# Altium PCB LimeSDR-X3_1v0.PcbDoc (part 22 of 25) (continued)
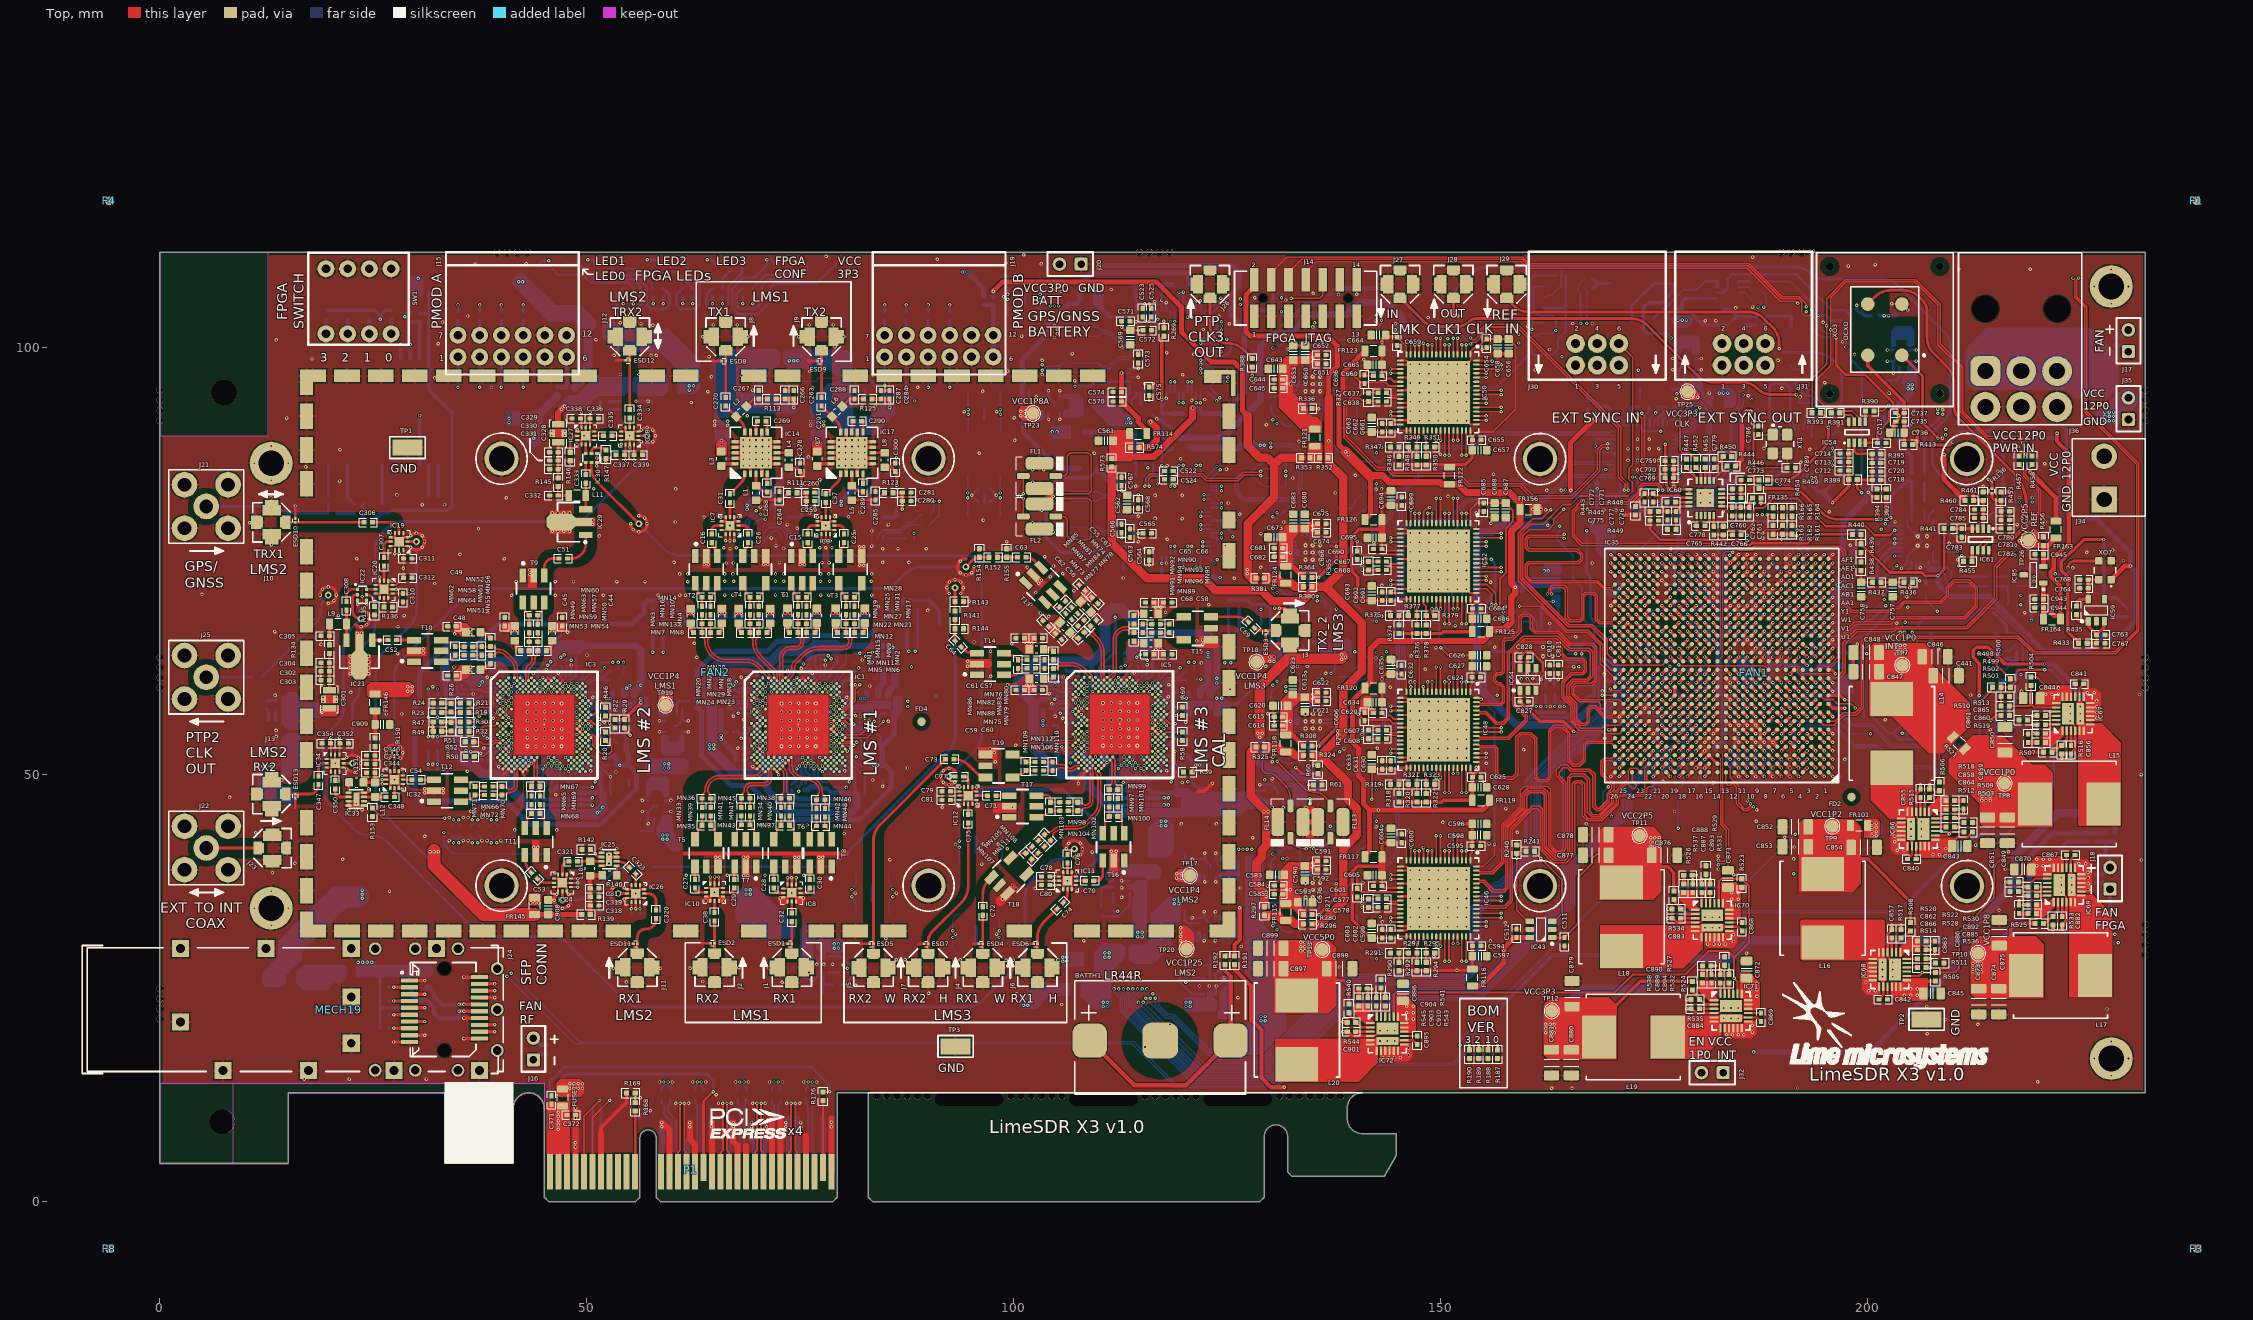
[diagram p0: Top view]
## Nets (pads, with @x,y where several pads share a name; then routed paths per layer and width w, separated by ;. In a path a pad name is that pad's centre, name@x,y a point inside that pad or via, vN(x,y) a via of type N, cw(c..) or ccw(c..) an arc to the next point about the centre after c; other vN are vias at no path point) (continued)
  Bottom w0.9: v1(162.5,79.198) 156.809,79.198 155.986,78.375 154.925,78.375 154.225,77.675 154.225,62.7 154.925,62 154.925,59.75 158.875,55.8 165.464,55.8 FR137.1@167.871,58.207
  other v1: 179.575,94.175
VCC3P3_GNSS: C508.2 C509.2 C514.2 C515.1 FR104.2 IC42.23 R236.1 R238.2 R244.2 | length 37.5
  Bottom w0.4: R236.1@24.775,79.525 25.826,80.576 25.9,80.576 R238.2@26,80.676 26.026,80.65 26.825,80.65 27.15,80.975 33.7,80.975 34.2,81.475 34.2,92.375 31.5,95.075 IC42.23@31.5,98.625 31.5,103.975 30.5,103.975 R244.2@30.425,104.05 ; C508.2@31.525,104 FR104.2@31.525,106.55
VCC3P3_RF: C35.2 C36.2 C41.2 C42.2 C80.2 C81.2 C311.2 C312.2 C326.2 C327.2 C338.2 C339.2 C353.2 C354.2 C891.2 FR142.2 IC7.12 IC8.12 IC9.12 IC10.12 IC11.12 IC12.12 IC19.12 IC20.12 IC24.12 IC26.12 IC27.12 IC28.12 IC32.12 IC34.12 R114.2 R126.2 | length 373.7
  Top w0.25: IC34.12@20.016,52.332 v1(20.016,54.307) ; v1(26.029,48.907) IC32.12@26.466,48.907 ; IC20.12@27.229,72.202 27.667,72.202 C312.2@28.504,73.039 ; IC19.12@28.504,76.289 C311.2@28.504,75.314 v1(28.504,74.177) C312.2@28.504,73.039 ; C312.2@28.679,72.914 28.554,73.039 C312.2@28.504,73.039 ; IC24.12@48.127,37.826 v1(48.916,37.826) ; IC27.12@49.361,90.669 v1(49.361,92.444) ; v1(55.511,86.8) IC28.12@55.511,88.67 ; v1(56.209,34.279) IC26.12@56.209,35.069 ; IC10.12@64.44,37.22 v1(64.44,38.009) ; v1(67.247,77.371) IC7.12@67.247,78.16 ; IC8.12@73.488,37.145 v1(73.488,37.934) ; v1(78.473,77.371) IC9.12@78.473,78.16 ; C81.2@92.59,47.037 IC12.12@93.64,47.037 ; C80.2@104.225,37.075 IC11.12@105.275,37.075
  L4 w0.4: v1(26.029,48.907) 35.06,39.875 42.501,39.875 44.551,37.826 v1(48.916,37.826) 55.149,37.826 56.7,36.275 ; v1(56.209,34.279) 56.7,34.77 56.7,36.275 ; v1(64.44,38.009) 64.44,37.14 ; v1(73.488,37.934) 72.693,37.14 ; v1(104.789,37.063) 101.976,34.25 75.1,34.25 73.3,36.05 73.3,36.533 72.693,37.14 ; 56.7,36.275 63.575,36.275 64.44,37.14 ; 64.44,37.14 66.503,37.14 66.763,37.4 70.37,37.4 70.63,37.14 72.693,37.14
  L8 w0.4: v1(67.247,77.371) 67.247,82.472 ; 70.517,82.625 72.367,80.775 74.575,80.775 76.325,79.025 77.25,79.025 78.473,77.802 v1(78.473,77.371)
  L8 w1: 49.275,92.175 53.075,88.375 53.075,86.775 53.925,85.925 55,85.925 55.925,86.85 63.175,86.85 67.4,82.625 70.517,82.625 v1(74.997,87.105)
  L8 w1.5: 26.025,48.35 26.025,43.4 23.025,43.4 19.466,46.959 19.466,55.266 22.775,58.575 22.785,58.575 26.725,62.515 26.725,68.275 28.2,69.75 29.3,69.75 30.877,71.327 30.877,74.177 ; v1(28.504,74.177) 30.877,74.177 ; v1@49.3,92.425 48.35,91.475 42.85,91.475 41.5,90.125 38.55,90.125 36.575,88.15 36.575,79.875 30.877,74.177
  L8 w2: 26.025,43.4 26.8,42.625 26.8,39.425 29.425,36.8 35.7,36.8 39.4,33.1 41.675,33.1 51.775,23 v1(101.125,23) v1(101.625,23)
  L6 w0.6: v1(74.997,87.105) 76.603,85.5 84.618,85.5 v1(86.224,87.105)
  Bottom w0.25: v1(26.029,48.907) C353.2@26.676,48.907 ; C327.2@56.209,33.632 v1(56.209,34.279) ; C42.2@64.44,37.362 v1(64.44,38.009) ; v1(67.247,77.371) C35.2@67.247,78.018 ; C36.2@73.488,37.287 C36.2@73.488,37.312 v1(73.488,37.934) ; v1(78.473,77.371) C41.2@78.473,77.998
  Bottom w0.4: C326.2@48.269,37.826 v1(48.916,37.826) ; R114.2@73.859,85.247 74.997,86.387 v1(74.997,87.105) ; R126.2@85.085,85.248 86.224,86.387 v1(86.224,87.105) ; v1(93.154,47.025) 95.1,47.025 96.3,48.225 105.8,48.225 109.725,44.3 109.725,40.05 106.738,37.063 v1(104.789,37.063)
VCC3V3_PTP: C705.2 C706.2 C707.2 C708.2 C709.2 C710.2 C711.2 C712.2 C713.1 C714.1 C721.2 C726.2 C727.1 C728.1 C731.2 FR130.2 FR131.1 IC54.1 IC55.1 IC55.4 IC55.7 IC55.9 IC55.20 IC55.27 IC55.30 IC56.1 IC56.3 IC57.1 R389.2 R396.1 XO2.2 XO2.6 | length 338.9
  Top w0.4: v1(195.85,81.85) 197.739,83.739 197.75,83.739 R389.2@197.75,84.55 C712.2@197.75,85.61 C713.1@197.75,86.61 C714.1@197.75,87.61 IC54.1@197.75,88.839
  L8 w1: 191.9,95.375 191.3,95.375 189.7,93.775 v1(189.7,83.975) 191,82.675 195.025,82.675 v1(195.85,81.85)
  L8 w1.5: v1(23.675,35.525) v1(23.675,36) v1(23.675,36.475) 23.675,39.525 17.05,46.15 17.05,71.9 22.9,77.75 22.9,79.675 37.2,93.975 42.825,93.975 45.325,96.475 48.65,96.475 52.3,100.125 52.3,105.35 53.4,106.45 95.4,106.45 96.675,107.725 108.625,107.725 110.1,109.2 122.1,109.2 122.8,109.9 142.725,109.9 143.425,109.2 169.625,109.2 179.025,99.8 179.025,97.325 180.5,95.85 187.625,95.85 189.7,93.775
  Bottom w0.3: C726.2@179.096,105.8 C727.1@180.096,105.8 C728.1@181.096,105.8 IC57.1@182.325,105.8 ; C709.2@189.05,84.225 189.1,84.225 189.35,83.975 C707.2@190.65,83.975 ; C709.2@189.2,84.375 189.2,84.75 190.2,85.75 IC55.9@190.2,86.225 ; C707.2@190.75,84.075 191.4,84.725 IC55.7@191.4,85.525 ; FR131.1@191.575,96.3 191.575,95.411 192.611,94.375 193.275,94.375 193.8,93.85 193.8,93.125 193.35,92.675 193.3,92.675 193.2,92.575 C708.2@193.2,92.525 192.75,92.075 192.75,91.4 192.4,91.05 IC55.20@192.4,90.425 ; IC55.4@192.9,85.525 192.9,84.225 193.675,83.45 193.687,83.437 C711.2@193.7,83.45 ; C711.2@193.7,83.475 C711.2@193.7,83.45 ; C711.2@193.85,83.325 193.8,83.325 193.7,83.425 C711.2@193.7,83.45 ; IC55.1@194.4,85.525 194.4,84.15 C711.2@193.7,83.45 ; IC55.30@195.1,87.225 196,87.225 C710.2@196.75,87.975 ; IC55.27@195.1,88.725 196,88.725 C710.2@196.75,87.975 ; C710.2@196.9,87.825 196.9,87.875 196.8,87.975 C710.2@196.75,87.975
  Bottom w0.4: XO2.2@172.364,103.31 172.364,104.97 174.104,106.71 174.204,106.71 XO2.6@174.954,107.46 ; XO2.6@174.954,107.51 C731.2@177.225,107.51 ; v1(176.95,101.125) 176.425,101.65 ; C731.2@177.225,107.5 177.225,106.575 175.925,105.275 174.275,105.275 173.7,104.7 173.7,102.025 174.075,101.65 176.425,101.65 ; C726.2@179.096,105.8 179.096,105.776 178.651,105.776 178.2,105.325 178.2,104.5 ; IC56.3@183.066,104.5 183.875,104.5 184.687,103.687 183.6,102.6 IC56.1@183.066,102.6 181.575,102.6 181.525,102.65 180.743,102.65 179.268,104.125 178.575,104.125 178.2,104.5 ; 184.675,103.7 R396.1@186.975,103.7 ; C711.2@193.85,83.325 194.05,83.125 194.9,83.125 197.1,85.325 197.1,87.625 C710.2@196.9,87.825 ; 176.425,101.65 176.425,103.725 177.2,104.5 178.2,104.5
  Bottom w0.6: 194.9,83.125 194.9,82.8 v1(195.85,81.85)
  other v1: 191.825,95.175
VCC5P0: C897.2 C898.2 C899.2 C911.2 C912.2 C915.2 FR145.1 FR146.1 FR162.1 IC73.7 IC74.7 IC75.7 L20.2 R212.1 R217.2 R234.1 R297.2 R325.2 R353.2 R381.2 R481.1 R540.2 R542.2 TP13.1 | length 601.6
  Top w0.2: C899.2@131.575,29.675 C897.2@131.575,27.275 C898.2@136.625,27.275 133.45,24.1 L20.2@133.1,24.1
  Top w0.4: 137.35,25.925 138.55,25.925 139.223,25.252 R540.2@139.223,23.116 R540.2@139.223,23.102
  Top w0.6: v1(97.57,106.595) 98.675,107.7 116.65,107.7 119.6,104.75 119.6,101.85 123.15,98.3 125.775,98.3 126.75,97.325 126.75,92.6 127.35,92
  Top w1: 127.35,92 127.35,88.525 128.775,87.1 129.675,87.1 130.475,86.3 ; R325.2@128.325,53.25 127.725,52.65 127.725,47.488 129.525,45.688 129.525,41.662 129.012,41.149 129.012,40.284 128.4,39.672 128.4,37.05 129.325,36.125 R297.2@129.325,34.625 ; R381.2@128.325,73 127.8,73 127.35,73.45 127.35,79.35 130.475,82.475 130.475,86.3 ; R353.2@133.675,87.1 131.275,87.1 130.475,86.3
  L8 w2: v1@43.775,89.225 43.775,81 29.225,66.45 29.225,60.125 28.05,58.95 26.35,58.95 25.1,57.7 25.1,56.525 26.225,55.4 27.95,55.4 29.9,53.45 29.9,50.275 29.675,50.05 29.675,40.55 30.95,39.275 37,39.275 38.075,40.35 41.875,40.35 43.875,38.35 43.875,34.625
  L8 w2.5: 43.875,34.625 48.6,29.9 78.9,29.9
  L8 w3: 78.9,29.9 81.1,29.9 84.75,26.25 107.3,26.25 107.775,26.725 112.075,26.725 114.725,29.375 ; 114.725,30.65 114.725,29.375 ; 118.275,24.675 118.275,25.825 114.725,29.375
  L10 w1: v1@127.325,73.875 127.325,68.875 128.9,67.3 133.125,67.3 138.225,62.2 138.225,60.625 136.7,59.1 136.7,54.975 136.175,54.45 135.175,54.45 131.775,51.05 131.775,48.925 130.807,47.957 129.425,46.575 v1@129.425,45.725
  L6 w0.6: 212.175,65.475 216.575,65.475 v1(219.15,68.05)
  L6 w2.5: 134.075,29.6 v1(134.075,29.35) 134.075,21.775 140.525,15.325 147.825,15.325 148.325,15.825 172.275,15.825 174.125,17.675 186.6,17.675 194.55,25.625 194.55,41.15 200.15,46.75 208.575,46.75 210.675,48.85 210.675,56.925 209.1,58.5 209.1,63.275 211.725,65.9 211.725,67.925 222.475,78.675 222.475,86.825 225.775,90.125 225.775,98.7 223.275,101.2 212,101.2 206.475,106.725 181.75,106.725 v1(178.25,103.225)
  Bottom w0.6: IC75.7@77.65,28.725 C915.2@77.65,29.9 ; R234.1@97.57,106.02 v1(97.57,106.595) ; IC74.7@113.55,36.837 C912.2@114.725,36.837 ; C911.2@122.95,23.125 IC73.7@122.95,24.3 ; v1(186.625,17.525) 200.25,17.525 212.25,29.525 214.425,29.525 218.9,34 218.9,40.425 221.65,43.175 R217.2@227.825,43.175 ; v1(219.15,68.05) R481.1@219.15,68.75
  Bottom w1: R542.2@43.775,91.614 R212.1@46.511,94.35
  Bottom w2: v1(43.775,89.4) v1(43.775,89.9) R542.2@43.775,91.614
  other v1: 120.15,22.85 120.65,22.85 120.15,23.35 120.65,23.35 133.575,29.35 134.575,29.35 78.95,29.675 79.45,29.675 133.575,29.85 134.075,29.85 134.575,29.85 78.95,30.175 79.45,30.175 133.575,30.35 134.075,30.35 134.575,30.35 114.5,31.037 115,31.037 114.5,31.537 115,31.537 43.4,34.975 43.875,34.975 44.35,34.975 129.55,35.7 129.55,36.2 129.275,45.65 129.75,45.65 29.025,59.775 29.525,59.775 29.025,60.275 29.525,60.275 127.325,73.525 127.325,74 177.75,103.225 178.75,103.225
VCC5P0_RF1: C261.2 C282.2 C908.2 FR145.2 IC13.1 IC16.1 R110.2 R115.2 R122.2 R127.2 R139.1 | length 158.6
  Top w0.6: FR145.2@44.207,33.632 R139.1@49.391,33.632
  Top w1.5: v1@32.1,41.1 32.1,39.375 37.85,33.625 FR145.2@43.875,33.625
  L6 w1: v1(68.75,81.05) v1(68.75,81.525) 68.75,82.225 66.55,84.425 66.55,86.825 67.15,87.425 67.15,89.25 71.375,93.475 71.375,96.125 71.375,96.425 ; v1(74.2,98.45) v1(74.7,98.45) 74.7,96.975 75.6,96.075 75.6,92.175 73.8,90.375 73.8,86.675 78.675,81.8 79.825,81.8
  L6 w1.5: v1(32.1,40.975) 32.1,43.475 29.6,45.975 29.6,57.285 28.735,58.15 28.725,58.15 27.6,59.275 27.6,60.725 29.2,62.325 30.75,62.325 32.1,63.675 32.1,65.56 43.215,76.675 47.725,76.675 49.25,78.2 49.25,79.893 51.607,82.25 54.05,82.25 66.625,94.825 67.7,94.825 69,96.125 71.375,96.125
  L6 w2: 71.375,96.425 73.4,98.45 v1(73.7,98.45) v1(74.2,98.45)
  Bottom w0.4: R110.2@73.275,99.125 73.275,98.775 IC13.1@74.075,97.975 C261.2@75.3,97.975 ; R122.2@79.55,96.9 79.9,96.9 IC16.1@80.7,97.7 C282.2@80.7,98.925
  Bottom w0.6: v1(68.75,81.05) v1(68.75,81.525) 70.679,83.454 R115.2@70.759,83.454 ; v1(79.775,81.55) v1(79.775,82.025) 81.204,83.454 R127.2@81.985,83.454
  other v1: 31.625,40.975 32.575,40.975
VCC5P0_RF2: C909.2 FR146.2 R150.1 | length 3.2
  Top w0.6: R150.1@25.191,54.282 C909.2@25.191,55.866 FR146.2@25.191,57.45
VCC12P0: C843.2 C844.2 C845.2 C870.2 C871.2 C872.2 C896.2 FUSE1.1 FUSE2.1 IC66.16 IC66.17 IC66.18 IC66.19 IC67.16 IC67.17 IC67.18 IC67.19 IC68.16 IC68.17 IC68.18 IC68.19 IC69.16 IC69.17 IC69.18 IC69.19 IC70.16 IC70.17 IC70.18 IC70.19 IC71.16 IC71.17 IC71.18 IC71.19 IC72.16 IC72.17 IC72.18 IC72.19 J32.2 J34.2 J35.2 R218.2 R497.1 R503.2 R504.1 R505.1 R522.1 R523.1 | length 29.9
  Top w0.2: IC72.19@144.975,21.65 144.975,22.35 145.438,22.813 145.625,23 ; IC70.19@183.026,34.93 183.026,35.629 183.489,36.092 183.676,36.279 ; IC71.19@185.225,24.325 185.225,25.025 185.688,25.488 185.875,25.675 ; IC68.19@204.55,25.925 205.25,25.925 205.713,25.462 205.9,25.275 ; IC66.19@207.9,42.375 208.6,42.375 209.062,41.912 209.25,41.725 ; R504.1@219.1,61.45 219.75,61.45 220.804,60.395 v1(220.804,60.149) ; 219.65,38.975 220.3,38.325 IC69.19@221,38.325 ; 220.675,59.025 220.862,58.838 221.325,58.375 IC67.19@222.025,58.375
  Top w0.25: C896.2@144.931,23.964 145.361,23.964 C896.2@145.725,23.6 ; C871.2@182.983,37.243 183.413,37.243 C871.2@183.776,36.88 ; C872.2@185.181,26.639 185.611,26.639 C872.2@185.975,26.275 ; C843.2@209.85,41.625 210.214,41.989 210.214,42.419 ; C870.2@218.686,38.281 218.686,38.711 C870.2@219.05,39.075 ; C844.2@219.711,58.331 219.711,58.761 220.037,59.088 C844.2@220.075,59.125
  Top w0.3: 210.214,42.419 210.445,42.65 211.625,42.65 R503.2@212.25,43.275
  Top w0.4: 206.8,25.825 R505.1@207.9,25.825 ; v1(216.15,37.425) R522.1@216.65,37.425
  Bottom w0.2: R497.1@221.925,58.375 221.925,59.019 v1(222.305,59.399)
  Bottom w0.5: v1(221.28,40.099) 223.356,42.175 R218.2@225.725,42.175
  other v1: 47.975,13.275 48.475,13.275 48.975,13.275 49.475,13.275 47.975,13.8 48.475,13.8 48.975,13.8 49.475,13.8 145.999,21.371 146.749,21.371 145.999,22.121 146.749,22.12 145.999,22.871 146.749,22.871 186.249,24.045 186.999,24.045 204.271,24.151 205.021,24.151 205.771,24.151 186.249,24.796 186.999,24.795 204.271,24.901 205.021,24.901 205.771,24.901 186.249,25.546 186.999,25.546 184.05,34.65 184.8,34.65 184.05,35.4 184.8,35.4 184.05,36.15 184.8,36.15 219.779,39.349 220.53,39.349 221.28,39.349 219.78,40.099 220.53,40.099 207.62,40.601 208.37,40.601 209.12,40.601 207.62,41.351 208.37,41.351 209.121,41.351 220.804,59.399 221.554,59.399 221.555,60.149 222.305,60.149 227.75,91.45 228.25,91.45 228.75,91.45 227.75,91.95 228.25,91.95 228.75,91.95 227.75,92.45 228.25,92.45 228.75,92.45
VCC12P0_PCIE: C368.1 C369.1 C370.1 C371.1 C372.1 FUSE1.2 P1.A2 P1.A3 P1.B1 P1.B2 P1.B3
  other v1: 46.625,8.475 46.625,8.975 46.625,9.475 46.625,9.975 46.625,10.475
VCC_LMS1_TX1: C259.1 C260.2 C262.2 C263.1 C266.2 C271.1 C274.2 IC13.6 R110.1 R111.2 R112.1 R113.2 | length 27
  Top w0.4: R111.2@74.6,83 C260.2@75.675,83 ; v1(75.7,81.075) v1(75.7,81.575) C260.2@75.7,83.025
  Top w0.5: R113.2@72.159,93.979 C263.1@74.209,93.979 v1(74.209,93.479) v1(74.209,92.979)
  L6 w1: v1(74.209,93.479) v1(74.209,92.979) 72.4,91.17 72.4,84.325 75.375,81.35 75.675,81.35
  Bottom w0.4: 68.05,98.588 68.512,98.587 C262.2@69.125,97.975 R112.1@70.175,97.975 IC13.6@71.475,97.975 72.275,98.775 R110.1@72.275,99.125
  Bottom w0.5: C271.1@65.722,92.18 C274.2@65.722,93.484
VCC_LMS1_TX2: C280.1 C281.2 C283.2 C284.1 C287.2 C292.1 C295.2 IC16.6 R122.1 R123.2 R124.1 R125.2 | length 25.8
  Top w0.4: R123.2@85.826,83 C281.2@86.901,83 ; v1(86.926,81.075) v1(86.926,81.575) C280.1@86.926,82.025 C281.2@86.926,83.025
  Top w0.5: R125.2@83.385,93.979 C287.2@84.435,93.979 C284.1@85.435,93.979 v1(85.435,93.479) v1(85.435,92.979)
  L6 w1: v1(85.435,93.479) v1(85.435,92.979) 85.423,92.967 85.423,89.777 87.15,88.05 87.15,82.6 86.926,82.376 v1(86.926,81.575) v1(86.926,81.075)
  Bottom w0.4: R122.1@79.55,95.9 79.9,95.9 IC16.6@80.7,95.1 R124.1@80.7,93.8 C283.2@80.7,92.75 80.087,92.137 80.087,91.675
  Bottom w0.5: C292.1@76.951,92.176 C295.2@76.951,93.48
VCC_LMS2_BB_ADCDRV1: C583.2 C584.1 C585.1 C590.2 C591.1 C592.1 C593.2 FR115.2 IC47.3 IC47.4 IC47.9 IC47.10 R280.2 | length 9
  Top w0.6: C583.2@131.475,38.275 C584.1@131.475,37.01 C585.1@131.475,36.004 131.475,35.25 131.925,34.8 132.7,34.8 R280.2@133.9,33.6 ; C583.2@131.525,38.425 132.25,39.15 132.55,39.15 132.7,39.3 C590.2@134.075,39.3
  other v1: 131.875,36.5 132.375,36.5 135,39.125 135,39.625
VCC_LMS2_BB_ADCDRV2: C613.2 C614.1 C615.1 C620.2 C621.1 C622.1 C623.2 FR118.2 IC49.3 IC49.4 IC49.9 IC49.10 R308.2 | length 4.5
  Top w0.6: FR118.2@131.825,54.65 131.925,54.55 132.7,54.55 R308.2@133.9,53.35 ; 132.25,58.9 132.55,58.9 132.7,59.05 C613.2@134.075,59.05
  other v1: 131.875,56.25 132.375,56.25 135,58.875 135,59.375
VCC_LMS2_PA: FR143.1 FR144.1 R539.1 R542.1 | length 78.4
  L4 w2: v1(12.525,50.975) v1(13.025,50.975) 13.525,50.975 16.65,54.1 16.65,71.157 25.668,80.175 27.05,80.175 38.5,91.625 43.575,91.625 46.5,94.55 51.55,94.55 52.525,95.525 v1(62.475,95.525)
  other v1: 12.025,50.975 40.875,91.225 40.875,91.725 40.875,92.225 61.975,95.025 61.975,95.525
VCC_LMS2_PA1: C313.2 C900.2 FR143.2 IC23.1 R137.2 | length 1.2
  Bottom w0.6: C313.2@14.575,52.554 IC23.1@14.575,53.762
VCC_LMS2_PA2: C340.2 C902.2 FR144.2 IC31.1 R148.2 | length 1.2
  Bottom w0.6: IC31.1@56.45,94.652 C340.2@57.658,94.652
VCC_LMS2_TX1_1: C301.1 C314.2 IC23.6 R137.1 R138.1 | length 2.3
  Bottom w0.4: C314.2@14.573,58.652 R138.1@14.573,57.602 14.575,57.6 IC23.6@14.575,56.362
  other v1: 18.95,57.275 18.954,57.777
VCC_LMS2_TX2_1: C328.1 C341.2 IC31.6 R148.1 R149.1 | length 4.7
  Top w0.7: C328.1@46.636,91.019 46.636,92.394 v1(47.007,92.766) v1(47.361,93.119)
  Bottom w0.4: C341.2@51.56,94.65 R149.1@52.61,94.65 52.612,94.652 IC31.6@53.85,94.652
VCC_LMS3_BB_ADCDRV1: C643.2 C644.1 C645.1 C650.2 C651.1 C652.1 C653.2 FR121.2 IC51.3 IC51.4 IC51.9 IC51.10 R336.2
  other v1: 131.875,95.75 132.375,95.75 135,98.375 135,98.875
VCC_LMS3_BB_ADCDRV2: C673.2 C674.1 C675.1 C680.2 C681.1 C682.1 C683.2 FR124.2 IC53.3 IC53.4 IC53.9 IC53.10 R364.2 | length 2.6
  Top w0.6: FR124.2@131.825,74.4 131.925,74.3 132.7,74.3 R364.2@133.9,73.1
  other v1: 131.875,76 132.375,76 135,78.625 135,79.125
VDIO_LMS: C2.1 C4.1 C6.1 C118.2 C177.2 C236.2 C935.2 C936.1 FR158.2 IC2.8 IC4.8 IC6.8 R1.2 R2.2 R3.1 R4.1 R5.2 R12.1 R13.1 R22.2 R27.2 R29.1 R31.1 R33.2 R56.1 R57.1 R59.2 R60.2 R61.1 R62.1 R63.2 R72.1 R73.1 R79.1 R80.1 R81.1 R82.1 R83.1 R91.1 R92.1 R93.1 R94.1 R95.1 R103.1 R104.1 R105.1 R106.1 R107.1 | length 332.6
  Top w0.35: v1(133,50.821) 133.004,50.821 133.725,50.1 R60.2@135.6,50.1 136.075,49.625 R61.1@136.075,48.8
  Top w0.4: v1(52.278,58.912) v1(52.753,58.912) ; R22.2@53.391,56.457 R29.1@54.391,56.457 56.316,58.382 v1(56.316,58.432) v1(56.316,58.907) ; R59.2@120.875,50.3 120.975,50.4 120.975,50.817 v1(121.281,51.123) v1(121.756,51.123)
  L3 w0.5: v2(48.781,57.319) 48.894,57.432 50.797,57.432 v1(52.278,58.912)
  L3 w0.8: v1(52.278,58.912) v1(52.753,58.912) 53.197,58.912 53.579,59.295 55.928,59.295 v1(56.316,58.907) v1(56.316,58.432)
  L4 w0.4: v1(121.281,51.123) 127.627,51.123 v1(129.375,49.375) 130.821,50.821 v1(133,50.821)
  L10 w0.6: v1(128.925,69.35) 129.875,70.3 131,70.3 132.45,71.75 135.775,71.75 143.425,79.4 154.125,79.4 157.175,82.45 178.4,82.45 179.65,83.7 187.75,83.7 188.7,82.75 191.325,82.75 193.05,81.025 v1(193.05,78.569)
  Bottom w0.3: R27.2@48.091,58.032 48.241,57.882 48.241,57.859 v2(48.781,57.319) ; R33.2@54.381,54.694 54.606,54.469 R31.1@54.606,53.594 ; R5.2@84.131,54.694 84.356,54.469 R4.1@84.356,53.594 ; R62.1@122.046,53.61 R63.2@122.046,54.485
  Bottom w0.35: R1.2@191.875,76.525 192.4,76 192.4,73.578 192.678,73.3 193.125,73.3 193.375,73.05 193.375,72.603 193.678,72.3 194.022,72.3 194.375,71.947 194.375,68.275 ; R3.1@192.375,68.275 194.375,68.275 ; R2.2@196.65,68.875 196.05,68.275 194.375,68.275
  Bottom w0.4: R57.1@57.686,70.397 R56.1@58.956,70.397 59.253,70.397 61.496,68.154 IC4.8@61.496,67.657 ; R13.1@87.436,70.397 R12.1@88.706,70.397 90.011,70.397 C2.1@91.246,69.162 IC2.8@91.246,67.657 ; 124.325,58.225 126.075,58.225 128.3,60.45 128.3,63.931 130.05,65.681 130.05,69.35 129.486,69.914 C6.1@128.929,69.914 ; R73.1@125.126,70.413 R72.1@126.396,70.413 127.406,70.413 127.905,69.914 C6.1@128.922,69.914 C6.1@128.929,69.914 ; IC6.8@128.936,67.673 128.929,67.68 C6.1@128.929,69.914
  Bottom w0.6: v1@52.353,58.887 52.728,58.887 53.011,59.17 R94.1@53.011,59.599 ; R92.1@52.506,52.194 R92.1@52.511,52.194 53.229,52.194 53.481,51.942 R91.1@53.481,51.094 C177.2@54.875,51.094 ; R31.1@54.606,53.594 54.606,52.779 54.875,52.51 C177.2@54.875,51.094 ; R57.1@57.686,70.397 57.131,70.397 56.671,69.936 56.671,69.011 55.291,67.632 39.566,67.632 37.184,65.25 33.759,65.25 30.4,61.891 30.4,58.85 29.85,58.3 29.85,47.75 30.7,46.9 40.523,46.9 43.273,44.15 51.609,44.15 55.816,48.357 55.816,50.153 C177.2@54.875,51.094 ; v1@82.103,58.887 82.478,58.887 82.761,59.17 R82.1@82.761,59.599 ; R80.1@82.256,52.194 R80.1@82.258,52.194 82.979,52.194 83.231,51.942 R79.1@83.231,51.094 C118.2@84.625,51.094 ; R4.1@84.356,53.594 R4.1@84.625,53.594 ; R81.1@85.981,57.169 85.981,54.737 84.837,53.594 R4.1@84.625,53.594 ; R13.1@87.436,70.397 87.097,70.397 82.971,66.271 76.225,66.271 75.575,65.621 72.275,65.621 71.1,64.446 65.146,64.446 62.875,62.175 62.875,57.923 63.425,57.373 63.425,52.198 66.902,48.721 69.131,48.721 73.127,44.725 81.934,44.725 85.625,48.416 85.625,50.371 84.902,51.094 C118.2@84.625,51.094 ; v1@119.793,58.904 120.168,58.904 120.451,59.187 R106.1@120.451,59.615 ; R104.1@119.946,52.21 120.265,52.21 120.921,51.554 R103.1@120.921,51.11 121.756,51.11 C236.2@122.379,51.11 122.524,51.255 122.379,51.401 122.379,53.277 R62.1@122.046,53.61 ; R1.2@191.875,76.525 191.875,76.925 193.05,78.1 v1(193.05,78.569) ; C118.2@84.625,51.094 R4.1@84.625,53.594
  other v1: 105.704,28.125 106.204,28.125 105.704,28.625 106.204,28.625 53.841,51.107 83.591,51.107 84.066,51.107 82.028,58.912 82.503,58.912 119.718,58.929 120.193,58.929 123.756,58.929 124.331,58.929
  other v2: 78.531,57.319 116.196,57.36
VDIO_LMS_FPGA: C393.2 C394.2 C395.1 C396.1 C397.1 C398.1 C399.1 C400.1 FR158.1 IC35.AA1 IC35.AC5 IC35.AD2 IC35.U3 IC35.W7 IC35.Y4 R567.1 R568.1 | length 22.8
  Top w0.4: IC35.W7@189.375,68.275 v1(189.875,68.775) ; IC35.AC5@191.375,72.275 v1(191.875,72.775) ; IC35.Y4@192.375,69.275 v1(192.875,69.775) ; IC35.U3@193.375,66.275 v1(193.875,66.775) ; IC35.AD2@194.375,73.275 v1(194.875,73.775) ; IC35.AA1@195.375,70.275 v1(195.875,70.775)
  L8 w0.4: v1(193.875,66.775) 194.375,67.275 194.375,67.982 194.668,68.275 196.082,68.275 196.725,68.918 v1(196.725,71.8)
  Bottom w0.4: v1(189.875,68.775) 190.35,69.25 190.643,69.25 190.643,69.275 192.375,69.275 v1(192.875,69.775) ; C396.1@190.375,69.288 C394.2@190.375,70.325 ; v1(191.875,72.775) C395.1@192.375,72.275 ; C398.1@192.4,66.25 193.125,66.25 193.65,66.775 v1(193.875,66.775) ; v1(194.875,73.775) C397.1@195.375,73.275 ; C399.1@195.4,70.275 195.4,70.3 v1(195.875,70.775) C393.2@197.05,70.775 ; 196.625,72.275 197.1,71.8 197.1,72.7 ; C393.2@197.1,70.725 C393.2@197.1,71.257
  other v1: 110.65,28.625 111.15,28.625 110.65,29.125 111.15,29.125 196.4,72.2 196.725,72.6
WR_PTP_CLK0_20: IC35.AA19 R406.1 | length 57.5
  Top w0.4: v1(176.875,69.775) IC35.AA19@177.375,70.275
  L3 w0.1: v1(176.875,69.775) 176.875,69.35 177.05,69.175 182.308,69.175 182.6,69.467 182.6,72.95 182.9,73.25 182.9,76.575 185.225,78.9 185.225,89.975 181.625,93.575 178.6,93.575 v1(177.6,94.575)
  L10 w0.1: v1(167.075,102.825) 167.625,102.275 171.875,102.275 173.575,100.575 173.575,98.6 v1(177.6,94.575)
  Bottom w0.2: R406.1@166.808,106.96 167.075,106.693 v1(167.075,102.825)
WR_PTP_CLK0_125_IC_N: C356.1 IC35.AB13 | length 18.6
  Top w0.4: IC35.AB13@183.375,71.275 v1(183.875,71.775)
  Bottom w0.13: v1(183.875,71.775) 184.47,72.37 186.57,72.37 187.605,73.405 188.105,73.405 188.25,73.55 188.25,76.025 188.605,76.38 189.605,76.38 190.275,77.05 190.275,80.6 191.1,81.425 191.1,82.775 191.3,82.975 192.15,82.975 C356.1@192.65,82.475
WR_PTP_CLK0_125_IC_P: C355.1 IC35.AA13 | length 17.6
  Top w0.4: IC35.AA13@183.375,70.275 v1(183.875,70.775)
  Bottom w0.13: v1(183.875,70.775) 184.51,71.41 184.51,71.926 184.724,72.14 186.665,72.14 187.7,73.175 188.2,73.175 188.48,73.455 188.48,75.93 188.7,76.15 189.7,76.15 190.505,76.955 190.505,80.505 191.65,81.65 C355.1@191.65,82.475
WR_PTP_CLK0_125_N: C356.2 IC55.5 | length 2.2
  Bottom w0.2: IC55.5@192.4,85.525 192.4,83.775 192.65,83.525 C356.2@192.65,83.475
WR_PTP_CLK0_125_P: C355.2 IC55.6 | length 2.2
  Bottom w0.2: C355.2@191.65,83.475 191.65,83.525 191.9,83.775 IC55.6@191.9,85.525
WR_PTP_CLK1_20: IC35.L22 R408.1 | length 75.8
  Top w0.4: v1(173.875,59.775) IC35.L22@174.375,60.275
  L4 w0.1: v1(156.6,59.275) 157.175,58.7 164.6,58.7 165.325,57.975 169.55,57.975 169.75,58.175 173.78,58.175 174.475,58.87 174.475,59.175 v1(173.875,59.775)
  L8 w0.1: v1(156.6,59.275) 159.9,62.575 159.9,72.8 158.5,74.2 158.5,96.15 164.375,102.025 165.55,102.025 v1(166.35,102.825)
  Bottom w0.2: v1(166.35,102.825) 166.35,106.25 166.025,106.575 166.025,107.277 R408.1@166.808,108.06
WR_PTP_CLK1_125_N: IC35.AC21 IC55.2 | length 38.9
  Top w0.4: v1(174.875,72.775) IC35.AC21@175.375,72.275
  L10 w0.1: v1(174.875,72.775) 174.475,72.375 173.6,72.375 173.45,72.525 173.45,75.875 174.475,76.9 185.025,76.9 185.775,76.15 194.675,76.15 196.525,78 196.525,82.15 v1(193.9,84.775)
  Bottom w0.2: v1(193.9,84.775) IC55.2@193.9,85.525
WR_PTP_CLK1_125_P: IC35.AB21 IC55.3 | length 39.5
  Top w0.4: v1(174.875,71.775) IC35.AB21@175.375,71.275
  L10 w0.1: v1(174.875,71.775) 174.475,72.175 173.517,72.175 173.25,72.442 173.25,75.958 174.392,77.1 185.108,77.1 185.858,76.35 194.592,76.35 196.325,78.083 196.325,82.067 194.117,84.275 193.9,84.275 v1(193.4,84.775)
  Bottom w0.2: v1(193.4,84.775) IC55.3@193.4,85.525
WR_PTP_CLK2_125_N: IC35.F4 IC55.31 | length 82.2
  Top w0.4: v1(191.875,54.775) IC35.F4@192.375,55.275
  L6 w0.1: v1(195.85,86.725) 195.791,86.725 195.641,86.575 195.042,86.575 194.7,86.233 194.7,85.417 198.442,81.675 206.542,81.675 211.625,76.592 211.625,74.5 205.825,68.7 205.825,63.083 199.45,56.708 199.45,55.658 199.45,54.35 203.5,50.3 208.666,50.3 208.841,50.125 v1(208.875,50.125)
  Bottom w0.2: v1(191.875,54.775) 192.225,55.125 192.6,55.125 192.95,55.475 195.925,55.475 198.225,53.175 200.9,53.175 203.35,50.725 207.225,50.725 207.7,50.25 208.75,50.25 v1(208.875,50.125) ; IC55.31@195.1,86.725 v1(195.85,86.725)
WR_PTP_CLK2_125_P: IC35.G4 IC55.32 | length 81.5
  Top w0.4: v1(191.875,55.775) IC35.G4@192.375,56.275
  L6 w0.1: v1(195.85,86.225) 195.791,86.225 195.641,86.375 195.125,86.375 194.9,86.15 194.9,85.5 198.525,81.875 206.625,81.875 211.825,76.675 211.825,74.417 206.025,68.617 206.025,63 199.65,56.625 199.65,54.433 203.583,50.5 208.666,50.5 208.841,50.675 v1(208.875,50.675)
  Bottom w0.2: v1(191.875,55.775) 192.192,55.458 192.509,55.458 192.826,55.775 196.049,55.775 198.349,53.475 201.024,53.475 203.474,51.025 207.349,51.025 207.824,50.55 208.75,50.55 v1(208.875,50.675) ; IC55.32@195.1,86.225 v1(195.85,86.225)
WR_PTP_CLK3_125_N: IC35.C4 IC55.28 | length 74.5
  Top w0.4: IC35.C4@192.375,52.275 v1(192.875,52.775)
  L3 w0.1: v1(192.875,52.775) 193.5,53.4 200.675,53.4 206.075,58.8 206.075,66.925 204.75,68.25 201.842,68.25 201.717,68.375 200.5,69.592 200.5,80.425 202.675,82.6 202.675,86.258 206.6,90.183 206.6,91.225 v1(208.175,92.8)
  L6 w0.1: v1(195.85,88.225) 195.909,88.225 196.059,88.075 206.392,88.075 207.625,89.308 207.625,92.25 v1(208.175,92.8) ; v1@208.1,92.725 v1@208.2,92.725
  Bottom w0.2: IC55.28@195.1,88.225 v1(195.85,88.225)
WR_PTP_CLK3_125_P: IC35.D4 IC55.29 | length 75.1
  Top w0.4: v1(191.875,52.775) IC35.D4@192.375,53.275
  L3 w0.1: v1(191.875,52.775) 192.225,52.425 193.025,52.425 193.8,53.2 200.758,53.2 206.275,58.717 206.275,67.008 204.833,68.45 201.925,68.45 200.7,69.675 200.7,80.342 202.875,82.517 202.875,86.175 206.8,90.1 206.8,90.925 v1(208.175,92.3)
  L6 w0.1: v1(195.85,87.725) 195.909,87.725 196.059,87.875 206.475,87.875 207.825,89.225 207.825,91.95 v1(208.175,92.3)
  Bottom w0.2: IC55.29@195.1,87.725 v1(195.85,87.725)
WR_PTP_DAC_20: C732.1 IC57.3 IC57.4 XO2.1 | length 10
  Bottom w0.3: XO2.1@174.904,103.31 174.904,103.41 175.654,104.16 175.754,104.16 177.544,105.95 177.549,105.95 178.374,106.775 179.95,106.775 C732.1@180.925,107.75 IC57.4@182.325,107.75 IC57.3@182.325,107.1
WR_PTP_DAC_25: C717.1 IC54.3 IC54.4 XO1.1 | length 22.6
  Top w0.3: v1(196.275,101.175) 196.275,97.975 197.45,96.8 199.7,96.8 202.975,93.525 202.975,92.949 202.475,92.449 202.475,91.46 201.1,90.085 C717.1@201.1,88.839 IC54.4@199.7,88.839 IC54.3@199.05,88.839
  Bottom w0.3: XO1.1@193.375,102.3 194.481,101.194 196.256,101.194 v1(196.275,101.175)
WR_PTP_SFP_LOS: IC35.T24 J24.8 R387.2 | length 186.7
  Top w0.4: v1(27.391,20.291) J24.8@29.199,20.291 ; v1(171.875,65.775) IC35.T24@172.375,65.275
  L3 w0.1: v1(27.391,20.291) 31.241,20.291 31.732,19.8 32.015,19.8 32.016,19.799 37.684,19.799 38.542,18.941 41.091,18.941 44.049,21.899 105.907,21.899 110.507,26.499 118.416,26.499 118.892,26.975 128.425,26.975 132.601,31.151 132.601,32.799 131,34.4 131,38.1 v1(127.85,41.25)
  L8 w0.1: v1(127.85,41.25) 138.15,51.55 v1(138.15,52.675) ; v1(159.425,61.2) 160.275,60.35 165.175,60.35 165.825,61 170.025,61 170.6,60.425 172.075,60.425 172.525,60.875 172.525,62.4 171.525,63.4 171.525,65.425 v1(171.875,65.775)
  L6 w0.1: v1(138.15,52.675) 138.15,53.6 143.925,59.375 152.875,59.375 154.7,61.2 v1(159.425,61.2)
  Bottom w0.4: R387.2@26.766,20.291 v1(27.391,20.291)